# Altium PCB PCB2.PcbDoc (part 2 of 2)
Units mm, origin at the board's own origin, x right, y up, seen from the top; angles counter-clockwise.
Board outline 130 x 80 mm, 4 copper layers (L1, L2, L3, L4), stack 0.618 mm thick; 279 components, 192 nets, 912 pads, 258 vias.
Unrouted connection lines stored in the file: 519.
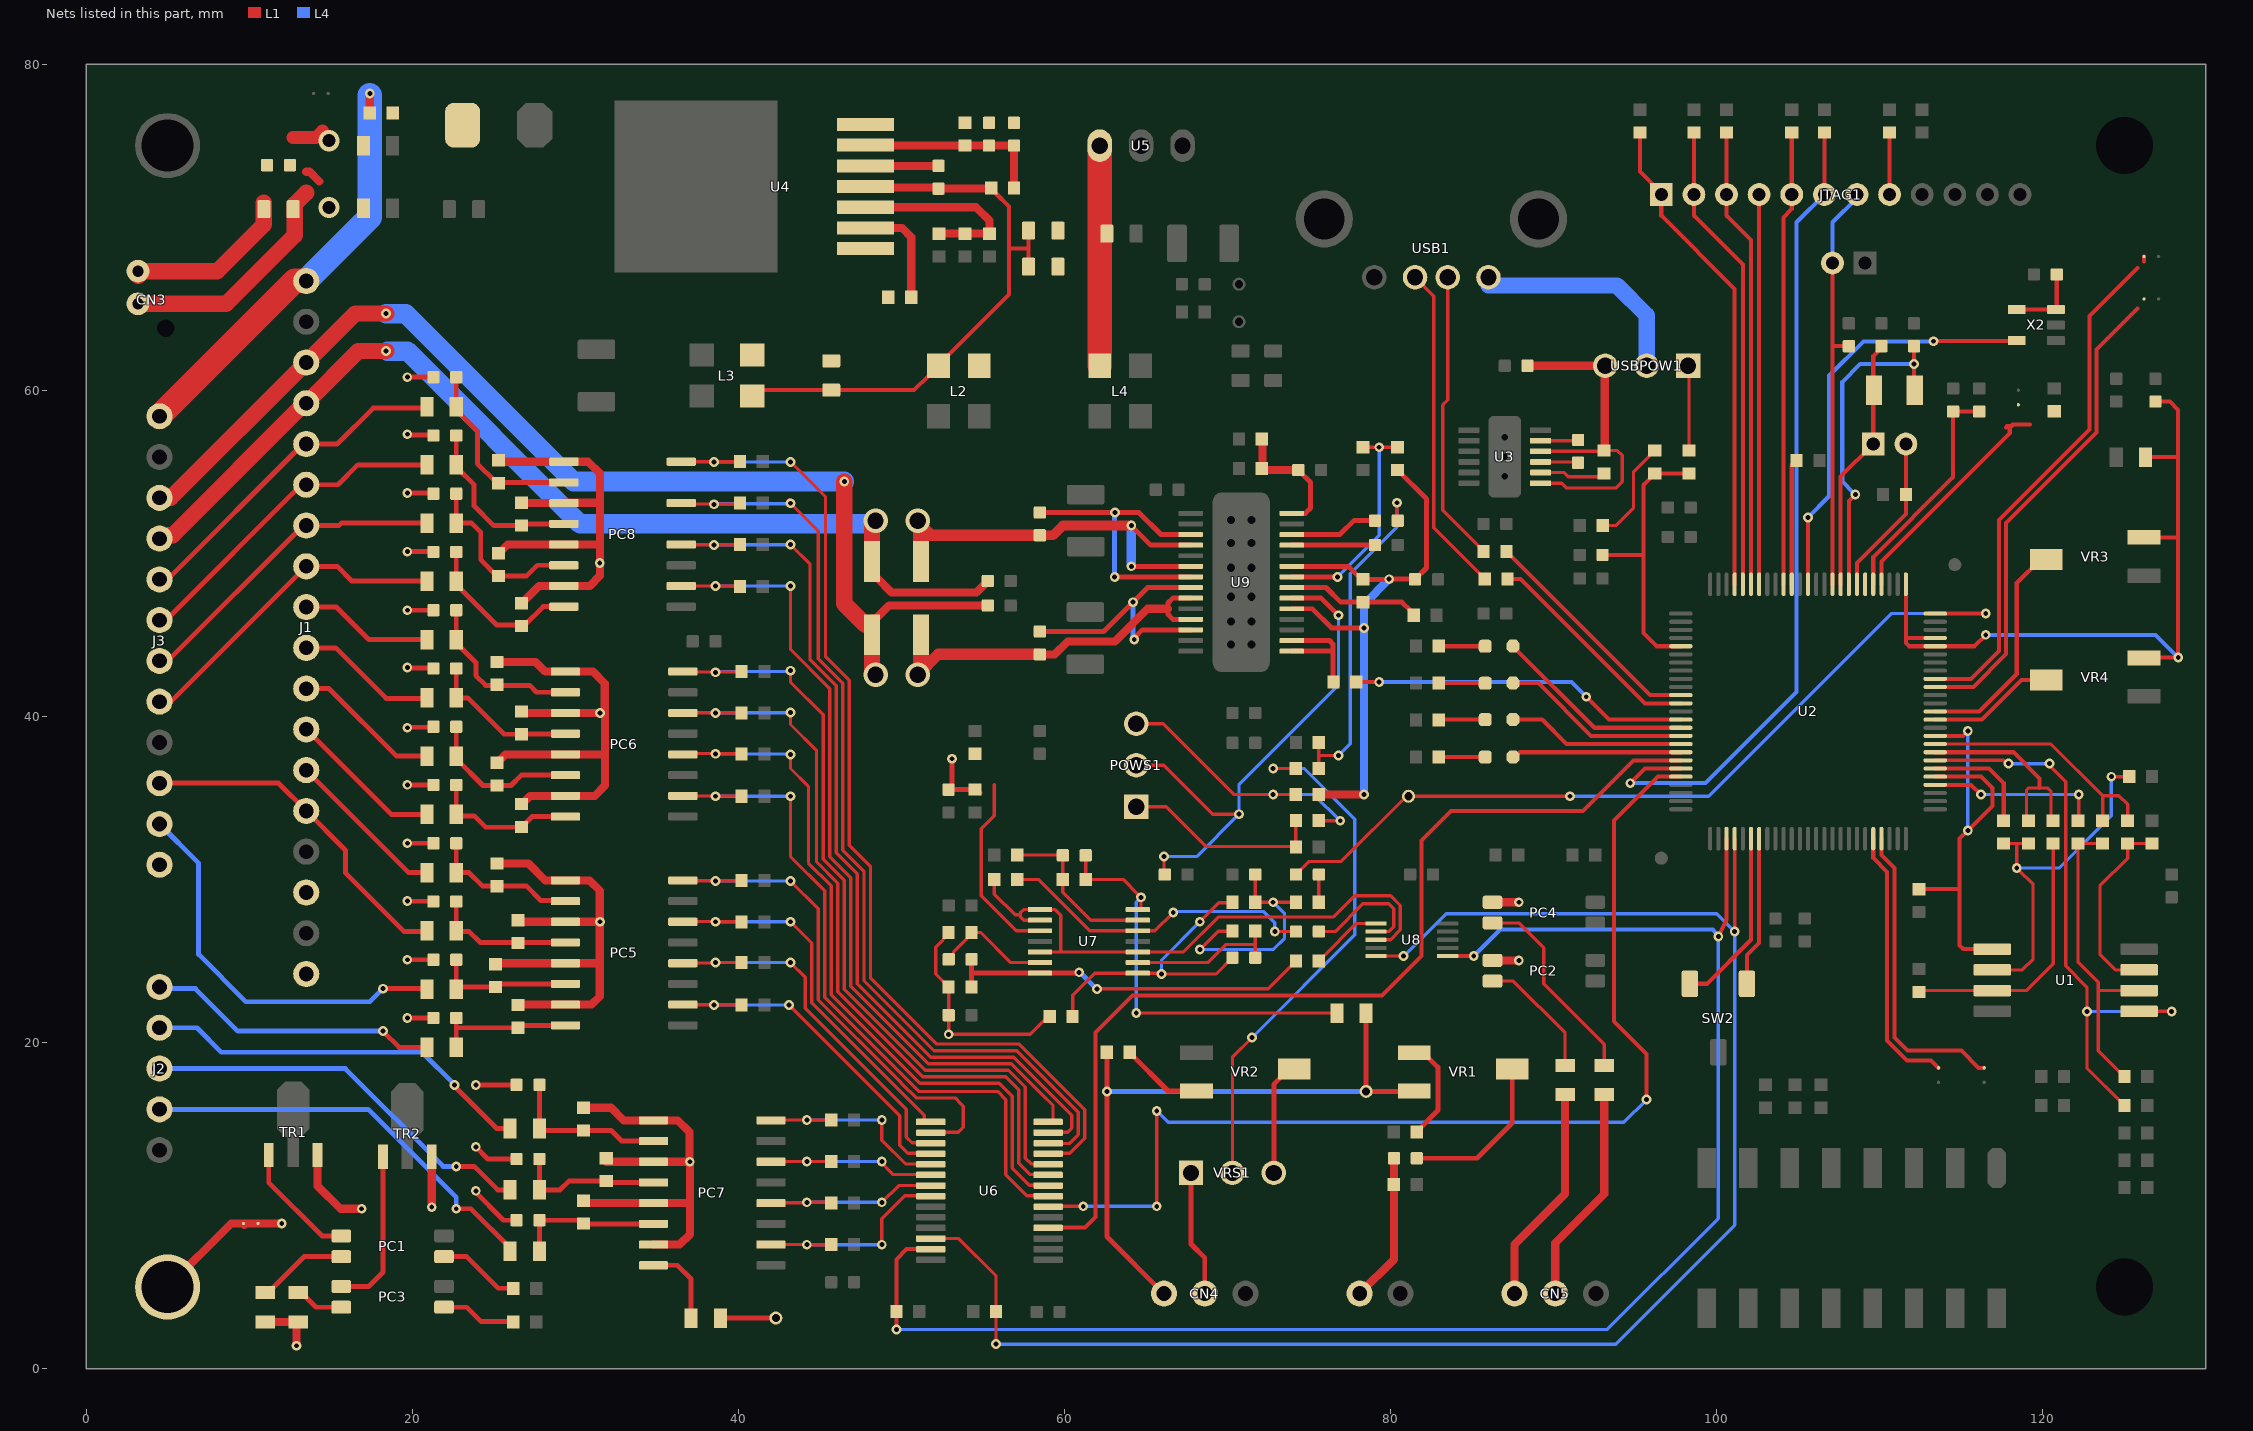
[diagram p4: the nets of this part, all layers, seen from the top]

## Via types
v1: diameter 0.6, hole 0.3, L1 to L4, 251 vias
v2: diameter 1.5, hole 1, L1 to L4, 4 vias
v3: diameter 1.3, hole 0.8, L1 to L4, 2 vias
v4: diameter 0.6, hole 0.2, L1 to L4, 1 vias

## Nets (pads, with @x,y where several pads share a name; then routed paths per layer and width w, separated by ;. In a path a pad name is that pad's centre, name@x,y a point inside that pad or via, vN(x,y) a via of type N, cw(c..) or ccw(c..) an arc to the next point about the centre after c; other vN are vias at no path point) (continued)
EX24V: C33.2 C52.2 CN3.1 PC2.1 PC4.1 PC5.1 PC5.3 PC5.5 PC5.7 PC6.1 PC6.3 PC6.5 PC6.7 PC7.1 PC7.3 PC7.5 PC7.7 PC8.1 PC8.3 PC8.5 PC8.7 R43.2 R44.2 R72.2 R73.2 R76.2 R77.2 R80.2 R81.2 R84.2 R85.2 R88.2 R89.2 R92.2 R93.2 R96.2 R97.2 R100.2 R105.2 | length 139.6
  L1 w0.5: R44.2@11,2.865 R43.2@13,2.865 12.9,2.765 v1(12.9,1.4) ; 13.5,73.4 13.7,73.4 14.3,72.8 ; R80.2@25.2,24.8 25.26,24.86 PC5.5@29.4,24.86 31.5,24.86 ; R72.2@25.2,30.98 27.12,30.98 28.16,29.94 PC5.1@29.4,29.94 30.885,29.94 31.5,29.325 v1@31.5,27.4 ; R81.2@25.2,37.16 25.225,37.16 25.73,37.665 PC6.5@29.4,37.665 ; R73.2@25.2,43.34 27.56,43.34 28.155,42.745 PC6.1@29.4,42.745 ; R89.2@25.2,55.7 25.285,55.615 PC8.1@29.3,55.615 30.785,55.615 31.506,54.894 31.506,53.094 ; R97.2@25.3,50 25.325,50 25.86,50.535 PC8.5@29.3,50.535 31.49,50.535 31.525,50.5 ; R84.2@26.7,22.3 26.72,22.32 PC5.7@29.4,22.32 30.995,22.32 31.5,22.825 31.5,24.86 ; R76.2@26.7,27.5 26.8,27.4 PC5.3@29.4,27.4 v1@31.5,27.4 ; R85.2@26.7,34.62 26.725,34.62 27.23,35.125 PC6.7@29.4,35.125 ; R77.2@26.7,40.3 26.795,40.205 PC6.3@29.4,40.205 ; R100.2@26.7,46.94 26.725,46.94 27.78,47.995 PC8.7@29.3,47.995 30.895,47.995 31.525,48.625 31.525,50.5 ; R93.2@26.7,53.1 26.725,53.075 PC8.3@29.3,53.075 29.319,53.094 31.506,53.094 ; PC6.7@29.6,35.12 31.195,35.12 31.825,35.75 31.825,37.625 ; PC6.5@29.6,37.66 31.79,37.66 31.825,37.625 ; PC6.3@29.6,40.2 v1(31.525,40.2) v1@31.825,40.2 ; PC6.1@29.6,42.74 31.085,42.74 31.806,42.019 31.806,40.219 v1@31.825,40.2 ; R88.2@30.4,16 32.2,16 32.975,15.225 PC7.1@34.8,15.225 36.285,15.225 37.006,14.504 37.006,12.704 v1(37.025,12.685) ; R96.2@30.5,10.3 30.525,10.3 30.68,10.145 PC7.5@34.8,10.145 36.99,10.145 37.025,10.11 ; R92.2@31.9,12.9 31.9,12.685 PC7.3@34.8,12.685 v1(37.025,12.685) ; PC7.7@34.8,7.605 36.395,7.605 37.025,8.235 37.025,10.11 ; PC2.1@86.25,25.035 v1(87.865,25.035) ; PC4.1@86.25,28.6 v1(87.865,28.6) ; 31.5,24.86 v1@31.5,27.4 ; 31.506,53.094 31.506,50.519 31.525,50.5 ; 31.825,37.625 v1@31.825,40.2 ; 37.025,10.11 v1(37.025,12.685)
  L1 w1: CN3.1@3.184,65.3 8.6,65.3 12.799,69.499 12.799,71.399 13.5,72.1
  other v1: 31.525,27.4 31.5,49.4
  other v3: 14.9,71.2
EXGND: "EXT GND1.1" C32.1 C33.1 C34.1 C37.1 C38.1 C39.1 C40.1 C41.1 C42.1 C43.1 C44.1 C45.1 C46.1 C47.1 C48.1 C49.1 C52.1 CN3.2 J1.16 J1.18 J3.12 JP3.1 JP3.2 R106.2 TR1.3 TR2.3 | length 58.2
  L1 w0.3: v1(19.7,21.5) C38.1@21.3,21.5 ; v1(19.7,25.073) C37.1@21.3,25.073 ; v1(19.7,28.67) 19.712,28.658 21.288,28.658 C34.1@21.3,28.645 ; v1(19.7,32.218) C32.1@21.3,32.218 ; v1(19.7,35.8) 19.705,35.795 21.295,35.795 C42.1@21.3,35.791 ; v1(19.7,39.3) 19.732,39.332 21.268,39.332 C43.1@21.3,39.364 ; v1(19.7,43) 19.732,42.968 21.268,42.968 C44.1@21.3,42.936 ; v1(19.7,46.509) C45.1@21.3,46.509 ; v1(19.7,50.1) 21.263,50.1 C46.1@21.273,50.09 ; v1(19.7,53.7) 21.021,53.7 21.121,53.8 C47.1@21.282,53.639 ; v1(19.7,57.3) 19.736,57.264 21.264,57.264 C48.1@21.3,57.227 ; v1(19.7,60.8) C49.1@21.3,60.8 ; v1@23.8,10.9 25.6,9.1 C41.1@26.4,9.1 ; v1(23.9,13.6) 24.65,12.85 C40.1@26.4,12.85 ; v1(23.9,17.4) C39.1@26.4,17.4
  L1 w0.5: 5,5 8.9,8.9 9.6,8.9 9.7,8.8 ; JP3.2@9.654,8.9 JP3.1@10.546,8.9 v1(12,8.9) ; TR1.3@14.2,13.55 TR1.3@14.2,13.1 14.2,11.2 15.6,9.8 v1(16.9,9.8) ; v1(21.2,9.9) TR2.3@21.2,13 TR2.3@21.2,13.4
  L1 w0.8: 12.7,75.5 14.1,75.5 14.5,75.9
  L1 w1: CN3.2@3.2,67 3.5,67.3 8.05,67.3 10.9,70.15 C52.1@10.9,71.1 C52.1@10.9,71.5
  other v1: 23.9,10.9
  other v3: 14.9,75.3
GVDD: C70.2 R124.1 R129.2 R131.2 U9.5 U9.9 | length 37.3
  L1 w0.2: R129.2@75.59,35.2 R129.2@75.627,35.238 ; R131.2@80.4,55.085 R131.2@80.415,55.1
  L1 w0.3: U9.5@73.94,46.6 75.2,46.6 76.375,45.425 v1(78.365,45.425) ; U9.9@73.94,49.2 77.4,49.2 78.2,48.4 v1@79.912,48.4 ; v1(79.912,48.412) 81.488,48.412 C70.2@81.5,48.4 82.2,49.1 82.2,53.34 80.44,55.1 R131.2@80.415,55.1
  L1 w0.5: R129.2@75.627,35.238 75.665,35.2 v1@78.4,35.2
  L4 w0.5: v1(78.365,35.2) v1(78.365,45.425) 78.365,46.865 v1(79.912,48.412)
I2CSCK: R104.1 U2.54 U6.12 U8.10 | length 104.6
  L1 w0.2: U6.12@51.791,7.966 U6.12@51.8,7.975 53.525,7.975 55.8,5.7 R104.1@55.8,3.5 v1(55.8,1.5) ; U8.10@79.2,25.3 v1(80.8,25.3) ; v1(101.1,26.8) U2.54@101.1,32.5
  L4 w0.2: v1(55.8,1.5) 93.8,1.5 101.1,8.8 v1(101.1,26.8) 100,27.9 83.4,27.9 v1(80.8,25.3)
I2CSDA: R101.1 U2.53 U6.13 U8.1 | length 100.3
  L1 w0.25: v1(49.7,2.4) R101.1@49.7,3.5 49.7,6.7 50.325,7.325 U6.13@51.8,7.325 ; U8.1@84,25.3 v1(85.1,25.3) ; v1(100.1,26.5) 100.6,27.5 U2.53@100.6,32.5
  L4 w0.2: v1(49.7,2.4) 93.3,2.4 100.1,9.2 v1(100.1,26.5)
  L4 w0.25: v1(85.1,25.3) 86.725,26.925 99.775,26.925 v1(100.1,26.5)
INT_SW: U2.46 U6.20 | length 66.4
  L1 w0.2: U6.20@59.2,9.95 v1(61.15,9.95) ; v1(65.659,9.95) v1(65.659,15.8) ; v1@65.664,9.936 v1@65.7,9.95
  L1 w0.25: v1(95.7,16.5) 95.7,19.3 93.7,21.3 93.7,33.6 96.4,36.3 U2.46@97.8,36.3
  L4 w0.2: v1(61.15,9.95) v1(65.659,9.95) ; v1(65.659,15.8) 66.359,15.1 94.3,15.1 v1(95.7,16.5)
LED_ALM: LED4.K U2.40 | length 12.6
  L1 w0.25: LED4.K@87.5,44.3 LED4.K@87.5,44.2 ; LED4.K@87.6,44.3 LED4.K@87.5,44.2 ; U2.40@97.8,39.3 92.5,39.3 87.6,44.2 LED4.K@87.5,44.2
LED_BSY: LED2.K U2.42 | length 10.9
  L1 w0.25: LED2.K@87.55,39.8 89.3,39.8 90.8,38.3 U2.42@97.8,38.3
LED_POW: LED1.K U2.41 | length 11.6
  L1 w0.25: LED1.K@87.5,42.033 89.067,42.033 92.3,38.8 U2.41@97.8,38.8
LED_USB: LED3.K U2.43 | length 10.4
  L1 w0.25: LED3.K@87.5,37.5 87.65,37.5 87.95,37.8 U2.43@97.8,37.8
LINE+: C55.2 CN1.1 R116.1 | length 9.2
  L1 w0.5: CN1.1@78.1,4.6 80.2,6.7 80.2,11.236 R116.1@80.264,11.3 ; R116.1@80.2,11.3 80.203,11.303 80.203,12.897 C55.2@80.205,12.9
MD1: U2.6
NetBOOT_1: BOOT.1 C13.2 U2.9 X1.1 | length 15.6
  L1 w0.25: U2.9@107.6,48.1 107.6,54.7 BOOT.1@109.6,56.7 109.6,57.175 109.6,60 109.6,62.1 110.1,62.6 C13.2@110.1,62.7
NetBOOT_2: BOOT.2 R20.1 U2.7 | length 10.3
  L1 w0.25: U2.7@108.6,48.1 108.6,49.4 111.6,52.4 R20.1@111.6,53.6 BOOT.2@111.6,57.175
NetC9_2: C9.2 L1.2 U2.1 U2.96 U2.97 VR3.3 VR4.3 | length 46.1
  L1 w0.25: U2.1@111.6,48.1 111.6,44.8 ; U2.97@113.4,44.8 111.6,44.8 ; v1(116.5,45) 115.8,44.3 111.8,44.3 111.6,44.5 111.6,44.8 ; VR4.3@126.2,43.575 126.225,43.6 v1(128.3,43.6) 128.3,51 ; VR3.3@126.2,50.975 128.275,50.975 128.3,51 ; L1.2@126.3,55.9 128.3,55.9 ; C9.2@126.9,59.3 127.8,59.3 128.3,58.8 128.3,55.9 ; 128.3,51 128.3,55.9
  L4 w0.25: v1(116.5,45) 126.9,45 v1(128.3,43.6)
NetC12_2: C12.2 U2.8 X1.2 | length 20.3
  L1 w0.25: U2.8@108.1,48.1 108.1,53.2 v1(108.5,53.6) v1@108.5,53.7 ; X1.2@112.1,60.2 v1(112.1,61.6) C12.2@112.1,62.7
  L4 w0.25: v1@108.5,53.7 108.4,53.7 107.7,54.4 107.7,60.5 108.8,61.6 v1(112.1,61.6)
NetC15_2: C15.2 X2.3 X2.4 | length 4.6
  L1 w0.25: X2.4@118.4,64.95 X2.3@120.8,64.95 120.852,65.002 C15.2@120.852,67.1
NetC18_1: C18.1 U3.9 | length 2.3
  L1 w0.2: U3.9@89.2,55.6 91.4,55.6 C18.1@91.5,55.5
NetC18_2: C18.2 U3.11 | length 2.3
  L1 w0.2: U3.11@89.2,56.9 C18.2@91.5,56.9
NetC20_1: C20.1 C21.1 R50.2 R51.1 U4.6 | length 11.7
  L1 w0.5: U4.6@47.8,75.03 47.815,75.015 54.585,75.015 54.6,75 C21.1@56.9,75 56.903,74.997 56.903,72.403 R51.1@56.905,72.4
NetC20_2: C20.2 C21.2 C26.2 C27.2 L2.1 R50.1 U4.7
NetC22_1: C22.1 C26.1 C27.1 C28.1 L2.2 L3.3 R51.2 U4.4 | length 36.6
  L1 w0.25: L3.3@40.85,59.65 41.2,60 C22.1@45.7,60 50.775,60 51.65,60.875 51.7,60.875 52.275,61.45 L2.2@52.275,61.5 52.275,61.55 56.6,65.875 56.6,68.7 ; U4.4@47.865,72.425 U4.4@47.93,72.36 ; R51.2@55.485,72.38 55.5,72.38 55.755,72.125 55.755,72.11 56.6,71.265 56.6,68.7 ; C27.1@57.8,67.575 57.8,68.683 ; C26.1@57.8,69.79 57.8,68.683 ; 56.6,68.7 56.617,68.683 57.8,68.683
  L1 w0.5: U4.4@47.8,72.49 47.865,72.425 52.21,72.425 C28.1@52.275,72.36 52.295,72.38 R51.2@55.485,72.38
NetC22_2: C22.2 L3.4 R49.1 U4.1 | length 0.6
  L1 w0.3: L3.4@40.85,62.15 L3.4@41.2,61.8
  L1 w0.5: U4.1@47.8,68.68 U4.1@47.843,68.637
NetC28_2: C28.2 U4.5 | length 4.5
  L1 w0.5: U4.5@47.8,73.76 C28.2@52.275,73.76
NetC29_2: C29.2 L4.4 U5.1 | length 13.5
  L1 w1.5: L4.4@62.16,61.5 62.16,70.5 62.16,72.21 U5.1@62.16,75
NetC53_1: C53.1 R107.1 R112.2 U7.14 | length 25.7
  L1 w0.2: C53.1@61.3,31.5 C53.1@61.3,31.475 R107.1@61.3,30 63.6,30 64.5,29.1 v1@64.5,28.9 ; v1(64.4,21.8) R112.2@76.7,21.8 ; U7.14@64.5,28.15 64.65,28.15 64.7,28.2 v1(64.7,28.9)
  L4 w0.2: v1(64.4,21.8) 64.4,28.6 v1(64.7,28.9)
NetC53_2: C53.2 R107.2 R108.1 U7.13 | length 10.2
  L1 w0.2: R108.1@57.3,31.5 59.9,31.5 R107.2@59.9,30 59.9,29.2 61.6,27.5 U7.13@64.5,27.5
NetC54_1: C54.1 U8.7 | length 7.8
  L1 w0.2: C54.1@75.6,26.8 76.6,26.8 78.3,28.5 79.9,28.5 80.2,28.2 80.2,27.1 79.9,26.8 U8.7@79.1,26.8
NetC54_2: C54.2 R117.1 U7.12 | length 19.7
  L1 w0.2: R117.1@57.1,30 58.4,30 61.55,26.85 U7.12@64.5,26.85 65.55,26.85 v1(66.669,27.969) ; v1(72.9,26.8) C54.2@74.2,26.8
  L4 w0.2: v1(66.669,27.969) 66.725,28.025 72.224,28.025 72.9,27.349 v1(72.9,26.8)
NetC55_1: C55.1 VR1.2 | length 10.4
  L1 w0.3: C55.1@81.605,12.9 85.3,12.9 87.459,15.059 87.459,18.275 VR1.2@87.066,18.275
NetC56_1: C56.1 R114.1 U7.9 | length 9.3
  L1 w0.2: U7.9@64.5,24.9 68.8,24.9 69.912,26.012 71.7,26.012 ; C56.1@71.7,25.2 71.7,26.012 ; R114.1@71.7,26.825 71.7,26.012
NetC56_2: C56.2 R110.2 R111.1 U7.8 | length 19
  L1 w0.2: R110.2@60.5,21.6 60.5,22.9 61.85,24.25 U7.8@64.5,24.25 v1@65.95,24.25 ; v1(65.95,24.2) 69.3,24.2 C56.2@70.3,25.2 ; v1(68.3,27.4) 69.475,28.575 70.3,28.575 R111.1@70.3,28.6
  L4 w0.2: v1(65.95,24.2) 65.95,25.05 v1(68.3,27.4) v1@68.5,27.4
NetC57_1: C57.1 R113.1 U7.6 | length 7.1
  L1 w0.2: C57.1@53,25.1 53.201,25.301 53.201,25.55 54.344,26.694 54.399,26.749 54.851,26.749 56.7,24.9 U7.6@58.5,24.9
NetC57_2: C57.2 R109.1 R119.2 U7.7 | length 22.7
  L1 w0.2: v1(61.991,23.275) 62.016,23.3 72.5,23.3 73.395,24.195 73.9,24.7 73.925,24.7 73.95,24.725 R119.2@73.95,25
  L1 w0.3: R109.1@54.4,23.4 54.3,23.5 54.3,25 C57.2@54.4,25.1 ; 54.4,24.25 U7.7@58.5,24.25 60.85,24.25 v1(60.9,24.3)
  L4 w0.3: v1(60.9,24.3) 60.95,24.3 61.975,23.275 v1(61.991,23.275)
NetC58_1: C58.1 TP3.1 U2.100 | length 52
  L1 w0.2: C58.1@74.5,30.6 75,31.1 76.975,31.1 80.975,35.1 TP3.1@81.1,35.1 v1(91,35.1)
  L1 w0.25: U2.100@113.029,46.3 v1(116.5,46.3)
  L4 w0.2: v1(91,35.1) 99.5,35.1 110.7,46.3 v1(116.5,46.3) v1@116.508,46.3
NetC58_2: C58.2 R115.2 | length 1.7
  L1 w0.2: R115.2@75.6,28.6 C58.2@75.6,30.3
NetC59_2: C59.2 R109.2 R110.1 R113.2 | length 13.7
  L1 w0.2: R109.2@52.895,23.405 R109.2@52.9,23.4 ; R113.2@53.005,26.744 52.1,25.839 52.1,24.2 R109.2@52.9,23.4 ; R110.1@59.1,21.7 59.1,21.675 58.825,21.4 58.8,21.4 57.9,20.5 v1(52.9,20.5) 52.9,21.525 R109.2@52.9,23.4
NetC60_2: C60.2 R111.2 R114.2 R115.1 | length 14.4
  L1 w0.2: v1@68.5,25.9 69.425,26.825 R114.2@70.3,26.825 ; C60.2@71.7,30.3 R111.2@71.7,28.6 v1(72.8,28.6) R115.1@74.2,28.6
  L4 w0.2: v1(68.3,25.7) 72.8,25.7 73.5,26.4 73.5,27.9 v1(72.8,28.6)
NetC64_2: C64.2 R121.1 R122.2 U7.3 | length 15.5
  L1 w0.2: 55.7,35.8 55.7,33.9 54.9,33.1 54.9,29 57.05,26.85 U7.3@58.5,26.85
  L1 w0.3: C64.2@52.895,35.5 53.1,35.705 v1(53.1,37.4) ; C64.2@53,35.509 54.6,35.509 R122.2@54.809,35.3
NetC65_1: C65.1 L5.1 U9.23 U9.25 | length 23.8
  L1 w0.3: U9.25@67.74,45.95 66.65,45.95 66.35,46.25 66.35,46.6 66.35,46.95 66.65,47.25 U9.23@67.74,47.25
  L1 w0.5: C65.1@58.3,43.8 59.4,43.8 60.2,44.6 63.1,44.6 65.1,46.6 66.35,46.6
  L1 w0.7: v2@50.75,42.3 51,42.55 52.25,43.8 C65.1@58.4,43.8
  L1 w1: v2(51,42.542) 51,42.55 51,42.677 51.2,42.877 L5.1@51.2,45
NetC65_2: C65.2 U9.22 U9.26 | length 16.6
  L1 w0.3: C65.2@58.3,45.2 62.4,45.2 v1(64.2,47) 65.1,47.9 U9.22@67.74,47.9 ; v1(64.28,44.72) 64.28,44.801 64.779,45.3 U9.26@67.74,45.3
  L4 w0.3: v1(64.2,47) 64.2,44.8 v1(64.28,44.72)
NetC71_1: C71.1 L6.1 U9.18 U9.20 | length 26.6
  L1 w0.3: v1(64.1,49.2) U9.20@67.74,49.2 ; v1(64.1,51.7) 65.3,50.5 U9.18@67.74,50.5
  L1 w0.6: C71.1@58.49,51.1 59.3,51.1 59.9,51.7 v1(64.1,51.7)
  L1 w0.7: v2@50.9,52 51,51.9 51.8,51.1 C71.1@58.49,51.1
  L1 w1: v2(51,52) 51,51.9 51,51.865 51.2,51.665 L6.1@51.2,49.5
  L4 w0.6: v1@64.1,49.3 v1(64.1,51.7)
NetC71_2: C71.2 U9.17 U9.21 | length 18.8
  L1 w0.3: C71.2@58.49,52.5 64.567,52.5 65.917,51.15 U9.17@68.1,51.15 ; v1(63.077,48.538) 63.09,48.55 U9.21@67.74,48.55
  L4 w0.3: v1(63.077,48.538) 63.077,52.477 v1(63.1,52.5)
NetC72_1: C72.1 U9.12 | length 5.5
  L1 w0.3: U9.12@73.94,51.15 76.89,51.15 77.74,52 78.94,52 C72.1@79.04,51.9
NetC72_2: C72.2 R126.1 R127.2 | length 21.1
  L1 w0.2: R126.1@75.59,36.8 75.6,36.81 75.6,37.605 ; R127.2@75.6,38.4 75.6,37.605 ; v1(76.8,37.59) 76.785,37.605 75.6,37.605 ; v1(80.4,53.1) 80.4,52.04 C72.2@80.44,52 C72.2@80.44,51.9
  L4 w0.2: v1@76.69,37.59 76.79,37.59 77.52,38.32 77.52,48.754 80.4,51.634 v1(80.4,53.1)
NetC73_2: C73.2 U9.11 | length 5.1
  L1 w0.3: U9.11@73.94,50.5 C73.2@79.04,50.5
NetC76_2: C76.2 R128.1 R130.1 U9.14 | length 8
  L1 w0.3: U9.14@73.94,52.45 74.774,52.45 75.1,52.776 75.1,54.34 C76.2@74.34,55.1
  L1 w0.5: R128.1@72.14,57 72.14,55.1 C76.2@74.34,55.1
NetC78_2: C78.2 POWS1.2 U9.6 | length 32.4
  L1 w0.2: POWS1.2@64.4,37 66.1,37 69.1,34 v1(70.7,34) ; v1(66.1,31.4) 66.1,30.352 C78.2@66.152,30.3
  L1 w0.3: U9.6@73.94,47.25 75.75,47.25 v1(76.8,46.2)
  L4 w0.2: v1(66.1,31.4) 68.1,31.4 v1(70.7,34) 70.7,35.8 76.8,41.9 v1(76.8,46.2)
NetCN4_1: CN4.1 R112.1 R120.1 TP2.1 VR1.3 | length 39.9
  L1 w0.3: R120.1@62.6,19.4 v1(62.6,17) 62.6,8.1 CN4.1@66.1,4.6 ; R112.1@78.5,21.8 TP2.1@78.5,17 81.434,17 VR1.3@81.459,17.025
  L4 w0.3: v1(62.6,17) TP2.1@78.5,17
NetCN4_2: CN4.2 VRS1.1 | length 7
  L1 w0.3: VRS1.1@67.76,12 67.76,7.64 68.6,6.8 CN4.2@68.6,5.3
NetCN5_1: CN5.1 R46.1 | length 12.8
  L1 w0.5: CN5.1@87.6,5.3 87.6,7.6 90.7,10.7 R46.1@90.7,16.8
NetCN5_2: CN5.2 R48.1 | length 12.7
  L1 w0.5: CN5.2@90.1,5.3 90.1,7.7 93.1,10.7 R48.1@93.1,16.8
NetD1_A: D1.A FUSE1.2 | length 0
NetED1_2: ED1.2 R21.2 U2.4 | length 14.6
  L1 w0.25: U2.4@110.1,48.1 110.1,49.5 117.971,57.371 117.971,57.725 118.146,57.9 119.2,57.9 ; 117.735,57.725 117.81,57.8 117.971,57.8 118.1,57.8
NetFUSE1_1: FUSE1.1 J1.1 J3.1 | length 26.6
  L1 w0.5: FUSE1.1@17.4,77 v1@17.4,78.1
  L1 w1.5: J3.1@4.5,58.4 12.8,66.7 J1.1@13.5,66.7
  L4 w1.5: J1.1@13.5,66.7 17.4,70.6 v1@17.4,78.1
  other v1: 17.4,78.2
NetJP1_1: JP1.1 U2.72 | length 18.8
  L1 w0.25: U2.72@110.1,32.5 110.1,31.5 110.9,30.7 110.9,20.3 111.7,19.5 115,19.5 116.054,18.446 JP1.1@116.4,18.446
NetJP2_1: JP2.1 U2.71 | length 16.6
  L1 w0.25: U2.71@109.6,32.5 109.6,31.3 110.45,30.45 110.45,20.114 111.664,18.9 113.146,18.9 JP2.1@113.6,18.446
NetJTAG1_8: JTAG1.8 R7.1 | length 3.8
  L1 w0.25: JTAG1.8@110.6,72 R7.1@110.6,75.799
NetLED1_A: LED1.A R26.2 | length 2.8
  L1 w0.25: R26.2@82.95,42.033 LED1.A@85.8,42.033
NetLED2_A: LED2.A R28.2 | length 2.8
  L1 w0.25: R28.2@82.95,39.8 LED2.A@85.8,39.8
NetLED3_A: LED3.A R31.2 | length 2.8
  L1 w0.25: R31.2@82.95,37.5 LED3.A@85.8,37.5
NetLED4_A: LED4.A R32.2 | length 2.9
  L1 w0.25: R32.2@82.95,44.3 LED4.A@85.8,44.3
NetMS1_2: MS1.2 U2.91 | length 29.7
  L1 w0.25: U2.91@113.4,41.8 115.736,41.8 117.75,43.814 117.75,51.85 123.3,57.4 123.3,62.5 125.8,65
NetMS2_2: MS2.2 U2.92 | length 31.9
  L1 w0.25: U2.92@113.4,42.3 115.6,42.3 117.3,44 117.3,52.036 122.85,57.586 122.85,64.55 125.8,67.5 ; 126.2,67.9 MS2.2@126.2,68.2
NetPC1_1: PC1.1 R45.1 | length 5.1
  L1 w0.3: PC1.1@21.95,6.865 23.335,6.865 25.275,4.925 26.2,4.925 R45.1@26.2,4.9
NetPC1_3: PC1.3 TR1.1 | length 7.8
  L1 w0.3: TR1.1@11.2,13.1 11.2,11.4 14.465,8.135 PC1.3@15.9,8.135
NetPC1_4: PC1.4 R44.1 | length 5.6
  L1 w0.3: R44.1@11,4.665 11.165,4.665 13.365,6.865 PC1.4@15.65,6.865
NetPC2_2: PC2.2 R46.2 | length 7.8
  L1 w0.2: PC2.2@86.25,23.765 87.535,23.765 90.7,20.6 R46.2@90.7,18.6
NetPC3_1: PC3.1 R47.1 | length 4.7
  L1 w0.3: PC3.1@21.95,3.765 23.335,3.765 24.2,2.9 26.265,2.9 R47.1@26.3,2.865
NetPC3_3: PC3.3 TR2.1 | length 10
  L1 w0.3: PC3.3@15.7,5.035 17.335,5.035 18.207,5.907 18.207,12.993 TR2.1@18.2,13
NetPC3_4: PC3.4 R43.1 | length 3
  L1 w0.3: R43.1@13,4.665 13.2,4.665 14.1,3.765 PC3.4@15.65,3.765
NetPC4_2: PC4.2 R48.2 | length 12.6
  L1 w0.2: PC4.2@86.45,27.33 87.87,27.33 89.4,25.8 89.4,23.6 93.1,19.9 93.1,18.8 92.9,18.6 R48.2@93.1,18.6
NetPC5_10: PC5.10 R56.1 U6.4 | length 22
  L1 w0.2: PC5.10@36.5,22.315 R56.1@40.1,22.315 ; v1(43.1,22.3) 46.342,19.058 49.9,15.5 49.9,13.7 50.4,13.2 U6.4@52,13.2
  L4 w0.2: v1(38.5,22.3) v1(43.1,22.3) v1@43.2,22.3
NetPC5_12: PC5.12 R57.1 U6.3 | length 23.7
  L1 w0.2: PC5.12@36.6,24.86 36.62,24.88 38.58,24.88 v1(38.6,24.9) R57.1@40.2,24.9 ; v1(43.2,24.9) 44.1,24 44.1,22.1 46.742,19.458 50.3,15.9 50.3,14.2 50.65,13.85 U6.3@52,13.85
  L4 w0.2: v1(38.6,24.9) v1(43.2,24.9)
NetPC5_14: PC5.14 R58.1 U6.1 | length 24.4
  L1 w0.2: PC5.14@36.6,27.415 R58.1@40.2,27.415 ; v1(43.2,27.4) 44.5,26.1 44.5,22.437 48.741,18.196 50.082,16.855 51.237,15.7 51.4,15.538 51.4,15.255 51.505,15.15 U6.1@52,15.15
  L4 w0.2: v1(38.6,27.4) v1(43.2,27.4)
NetPC5_16: PC5.16 R59.1 U6.2 | length 31
  L1 w0.2: PC5.16@36.6,29.915 R59.1@40.2,29.915 ; v1(43.2,29.9) 44.9,28.2 44.9,22.604 49.619,17.885 50.359,17.144 50.6,16.904 50.904,16.6 53.3,16.6 53.65,16.25 53.8,16.1 53.8,14.8 53.5,14.5 U6.2@52,14.5
  L4 w0.2: v1(38.6,29.9) v1(43.2,29.9)
NetPC6_10: PC6.10 R67.1 U6.21 | length 43.1
  L1 w0.2: PC6.10@36.6,35.115 R67.1@40.2,35.115 ; v1(43.2,35.1) 43.2,31.4 45.3,29.3 45.3,22.772 51.072,17 55.9,17 56.4,16.5 56.4,11.9 57.7,10.6 U6.21@59.3,10.6
  L4 w0.2: v1(38.6,35.1) v1(43.2,35.1)
NetPC6_12: PC6.12 R66.1 U6.22 | length 44.9
  L1 w0.2: PC6.12@36.6,37.715 R66.1@40.2,37.715 ; v1(43.2,37.667) 43.2,36.8 44.3,35.7 44.3,31.003 45.7,29.603 45.7,22.937 51.137,17.5 56,17.5 56.8,16.7 56.8,12.3 57.85,11.25 U6.22@59.2,11.25
  L4 w0.2: v1(38.6,37.7) 38.617,37.683 43.183,37.683 v1(43.2,37.667)
NetPC6_14: PC6.14 R65.1 U6.23 | length 46.9
  L1 w0.2: PC6.14@36.6,40.215 R65.1@40.2,40.215 ; v1(43.2,40.233) 43.2,39.5 44.8,37.9 44.8,31.069 46.1,29.769 46.1,23.103 51.303,17.9 56.4,17.9 57.2,17.1 57.2,12.6 57.9,11.9 U6.23@59.2,11.9
  L4 w0.2: v1(38.6,40.2) 38.617,40.217 43.183,40.217 v1(43.2,40.233)
NetPC6_16: PC6.16 R64.1 U6.24 | length 48.8
  L1 w0.2: PC6.16@36.6,42.715 R64.1@40.2,42.715 ; v1(43.2,42.8) 43.2,42.1 45.2,40.1 45.2,31.234 46.5,29.934 46.5,23.269 51.469,18.3 56.569,18.3 57.6,17.269 57.6,12.9 57.95,12.55 U6.24@59.2,12.55